# Altium PCB LimeSDR-X3_1v2.PcbDoc (part 20 of 25) (continued)
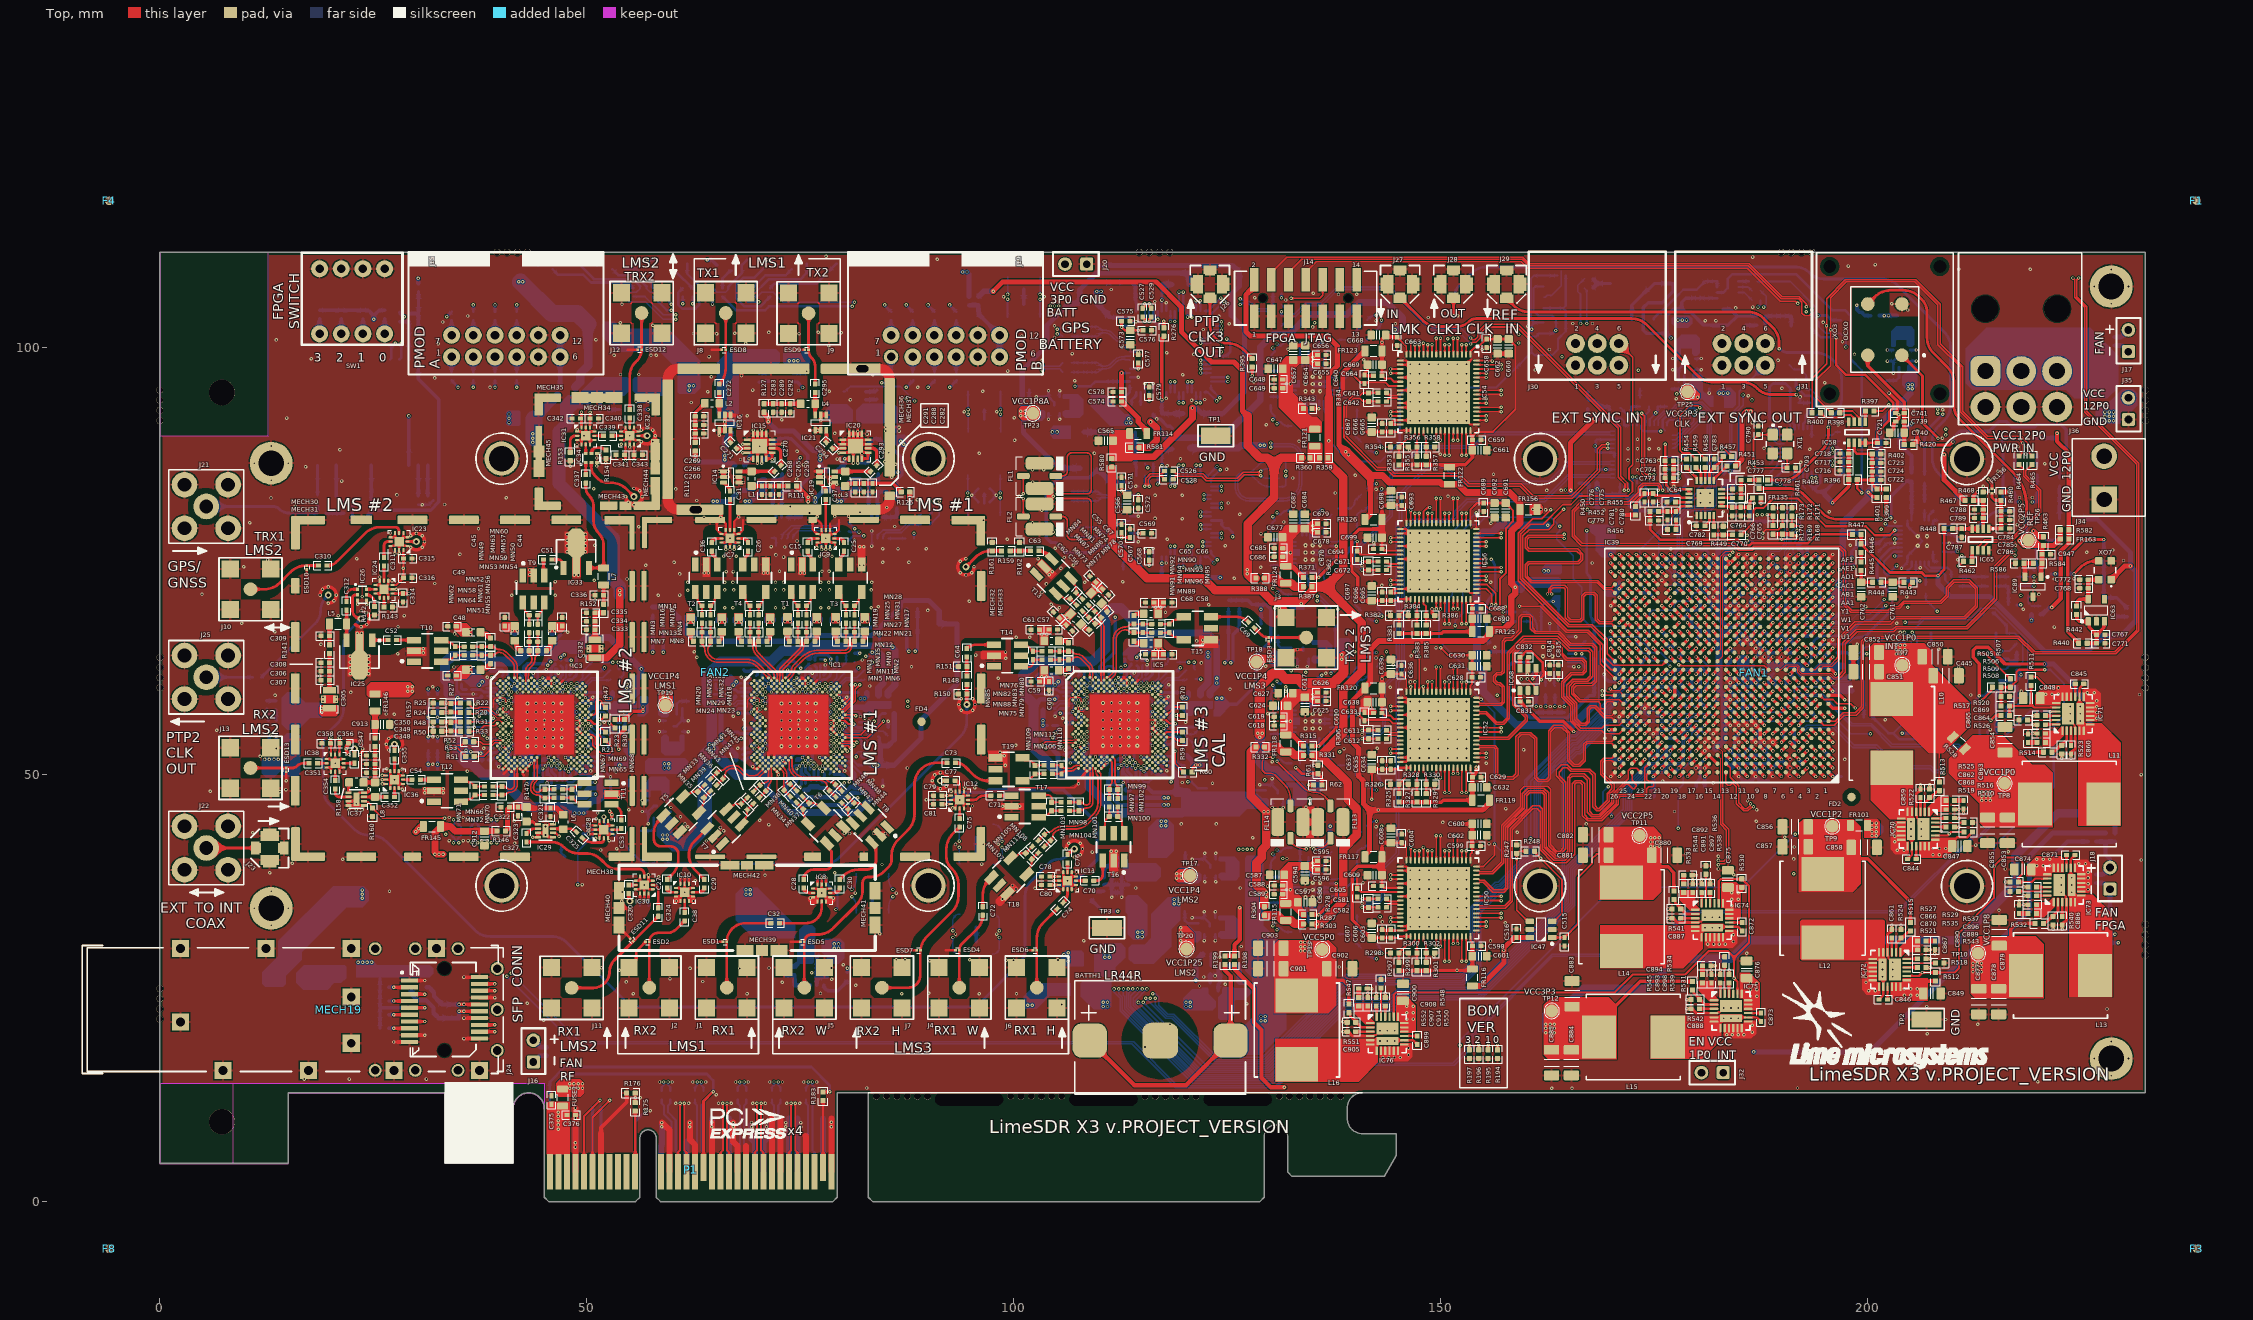
[diagram p0: Top view]
## Nets (pads, with @x,y where several pads share a name; then routed paths per layer and width w, separated by ;. In a path a pad name is that pad's centre, name@x,y a point inside that pad or via, vN(x,y) a via of type N, cw(c..) or ccw(c..) an arc to the next point about the centre after c; other vN are vias at no path point) (continued)
  Bottom w0.325: P1.A6@50.65,3.5 R174.2@50.65,11.075
NetP1_A7: P1.A7 R174.1 | length 7.6
  Bottom w0.325: P1.A7@51.65,3.5 R174.1@51.65,11.075
NetP1_B11: P1.B11 R175.2 | length 7.1
  Top w0.325: P1.B11@55.65,3.5 R175.2@55.65,10.6
NetR179_1: R179.1 VT1.D | length 133.8
  L4 w0.1: v1(70.1,105.35) 72.125,107.375 95.075,107.375 96.15,108.45 117.3,108.45 119.217,110.367 185.558,110.367 192.175,103.75 v1(194.15,103.75)
  Bottom w0.3: R179.1@68.233,105.975 68.858,105.35 v1(70.1,105.35)
  Bottom w0.325: v1(194.15,103.75) 195.225,103.75 195.765,103.21 VT1.D@196.773,103.21
NetR242_1: R242.1 R243.2 R244.1 | length 2.2
  Bottom w0.4: R243.2@22.525,79.525 R244.1@22.525,80.625 R242.1@22.525,81.725
NetR413_2: R413.2 R415.2 XO2.4 | length 3
  Bottom w0.4: R413.2@167.808,106.96 168.358,107.51 ; R415.2@167.808,108.06 168.358,107.51 ; XO2.4@169.824,107.51 168.358,107.51
NetR419_2: R419.2 XO3.3 | length 44.4
  Top w0.325: XO3.3@199.975,105.1 200.843,105.968 cw(c202.639,104.172) 202.639,106.712 204.186,106.712 cw(c204.186,104.172) 205.982,105.968 206.3,105.65 cw(c204.791,104.141) 206.925,104.141 206.925,101.152 ccw(c209.465,101.152) 207.669,99.356 209.331,97.694 cw(c207.535,95.898) 210.075,95.898 210.075,93.103 ccw(c211.953,93.103) 210.625,91.775 216.892,85.508 cw(c212.828,81.444) 218.575,81.444 v1(218.575,80)
  Bottom w0.325: v1(218.575,80) 218.575,78.326 ccw(c220.026,78.326) 219,77.3 219.346,76.954 cw(c218.493,76.1) 219.7,76.1 219.7,75.25 ccw(c222.175,75.25) R419.2@220.425,73.5
NetR429_1: R429.1 XO4.6 | length 2
  Bottom w0.4: XO4.6@228.376,68.5 R429.1@230.35,68.5
NetR432_2: R432.2 XO4.4 XO5.3 | length 1.8
  Bottom w0.325: XO5.3@222.426,70.7 R432.2@222.425,72.5
NetR435_2: R435.2 R439.1 | length 1.1
  Bottom w0.4: R439.1@222.436,84.76 R435.2@222.436,85.86
NetR437_1: R437.1 XO6.6 | length 1.6
  Bottom w0.325: R437.1@222.425,74.5 XO6.6@222.425,76.099
NetR441_2: R441.2 XO7.3 | length 4.1
  Top w0.325: v1(224.125,73.5) 224.908,74.283 cw(c226.704,72.487) 226.704,75.027 XO7.3@227.027,75.027
  Bottom w0.325: R441.2@223.425,73.5 v1(224.125,73.5)
NetR445_1: R445.1 R446.2 | length 1.1
  Top w0.325: R445.1@199.2,74.9 R446.2@199.2,76.025
NetR485_2: R485.2 R487.1 R488.2 | length 2.6
  Bottom w0.2: R487.1@218.775,71.075 218.775,70.125 R488.2@219.15,69.75 R485.2@220.25,69.75
PCIE_HSI0_IC_N: C370.2 IC39.C10 | length 147
  Top w0.4: IC39.C10@186.375,52.275 v1(186.875,51.775)
  L3 w0.1: v1(62.9,14) 62.9,13.941 63.05,13.791 63.05,13.367 63.367,13.05 64.058,13.05 64.7,13.692 64.7,14.342 67.883,17.525 137.633,17.525 143.508,23.4 160.619,23.4 174.919,37.7 177.55,37.7 185.475,45.625 185.475,49.035 185.475,51.95 185.7,52.175 186.475,52.175 v1(186.875,51.775)
  Bottom w0.25: C370.2@62.65,12.95 62.65,13.4 62.9,13.65 v1(62.9,14)
PCIE_HSI0_IC_P: C369.2 IC39.D10 | length 146.6
  Top w0.4: IC39.D10@186.375,53.275 v1(186.875,52.775)
  L3 w0.1: v1(63.4,14) 63.4,13.941 63.25,13.791 63.25,13.45 63.45,13.25 63.975,13.25 64.5,13.775 64.5,14.425 67.8,17.725 137.55,17.725 143.425,23.6 160.536,23.6 174.836,37.9 177.467,37.9 185.275,45.708 185.275,49.117 185.275,52.033 185.617,52.375 186.475,52.375 v1(186.875,52.775)
  Bottom w0.25: v1(63.4,14) 63.4,13.65 63.65,13.4 C369.2@63.65,12.95
PCIE_HSI0_N: C369.1 P1.A17 | length 8.7
  Bottom w0.25: P1.A17@63.65,3.5 63.65,5.75 63.4,6 63.4,11.25 63.65,11.5 C369.1@63.65,11.95
PCIE_HSI0_P: C370.1 P1.A16 | length 8.7
  Bottom w0.25: P1.A16@62.65,3.5 62.65,5.75 62.9,6 62.9,11.25 62.65,11.5 C370.1@62.65,11.95
PCIE_HSI1_IC_N: C368.2 IC39.A9 | length 146.7
  Top w0.4: IC39.A9@187.375,50.275 v1(187.875,49.775)
  L3 w0.1: v1(67.9,14) 67.9,13.941 68.05,13.791 68.05,12.492 68.442,12.1 69.058,12.1 69.475,12.517 69.475,15.817 70.058,16.4 139.383,16.4 142.333,19.35 158.458,19.35 175.308,36.2 179.058,36.2 179.833,36.975 180.715,36.975 180.741,36.975 181.125,37.359 181.125,39.6 184.65,43.125 186.89,43.125 187.9,44.135 187.9,44.507 187.525,44.882 187.525,45.3 187.9,45.675 187.9,45.925 187.525,46.3 187.525,46.55 187.925,46.95 187.925,47.2 187.525,47.6 187.525,47.92 187.75,48.145 187.75,48.4 187.525,48.625 187.525,49.425 v1(187.875,49.775)
  Bottom w0.25: C368.2@67.65,12.95 67.65,13.4 67.9,13.65 v1(67.9,14)
PCIE_HSI1_IC_P: C367.2 IC39.B9 | length 146
  Top w0.4: IC39.B9@187.375,51.275 v1(187.875,50.775)
  L3 w0.1: v1(68.4,14) 68.4,13.941 68.25,13.791 68.25,12.575 68.525,12.3 68.975,12.3 69.275,12.6 69.275,15.9 69.975,16.6 139.3,16.6 142.25,19.55 148.717,19.55 158.375,19.55 175.225,36.4 178.975,36.4 179.75,37.175 180.659,37.175 180.925,37.441 180.925,39.683 184.567,43.325 186.807,43.325 187.325,43.843 187.325,49.72 187.875,50.27 v1(187.875,50.775)
  Bottom w0.25: v1(68.4,14) 68.4,13.65 68.65,13.4 C367.2@68.65,12.95
PCIE_HSI1_N: C367.1 P1.A22 | length 8.7
  Bottom w0.25: P1.A22@68.65,3.5 68.65,5.75 68.4,6 68.4,11.25 68.65,11.5 C367.1@68.65,11.95
PCIE_HSI1_P: C368.1 P1.A21 | length 8.7
  Bottom w0.25: P1.A21@67.65,3.5 67.65,5.75 67.9,6 67.9,11.25 67.65,11.5 C368.1@67.65,11.95
PCIE_HSI2_IC_N: C366.2 IC39.C8 | length 148.2
  Top w0.4: IC39.C8@188.375,52.275 v1(188.875,51.775)
  L3 w0.1: v1(71.9,14) 71.9,14.059 72.05,14.209 72.05,14.95 72.6,15.5 160,15.5 179.375,34.875 182.616,34.875 182.825,35.084 182.825,36.933 183.225,37.333 183.342,37.45 183.992,37.45 184.7,38.158 184.7,41.858 185.167,42.325 186.008,42.325 186.425,41.908 186.675,41.658 186.675,41.108 186.958,40.825 187.525,40.825 188.525,41.825 188.525,48.233 189.3,49.008 189.3,51.133 189.517,51.35 190.1,51.35 190.3,51.55 190.3,51.95 190.075,52.175 189.275,52.175 v1(188.875,51.775)
  Bottom w0.25: C366.2@71.65,12.95 71.65,13.4 71.9,13.65 v1(71.9,14)
PCIE_HSI2_IC_P: C365.2 IC39.D8 | length 148.5
  Top w0.4: IC39.D8@188.375,53.275 v1(188.875,52.775)
  L3 w0.1: v1(72.4,14) 72.4,14.059 72.25,14.209 72.25,14.867 72.683,15.3 160.083,15.3 179.458,34.675 182.699,34.675 183.025,35.001 183.025,36.85 183.425,37.25 184.075,37.25 184.9,38.075 184.9,41.775 185.25,42.125 185.925,42.125 186.475,41.575 186.475,41.025 186.875,40.625 187.608,40.625 188.725,41.742 188.725,48.15 189.5,48.925 189.5,51.05 189.6,51.15 190.183,51.15 190.5,51.467 190.5,52.033 190.158,52.375 189.275,52.375 v1(188.875,52.775)
  Bottom w0.25: v1(72.4,14) 72.4,13.65 72.65,13.4 C365.2@72.65,12.95
PCIE_HSI2_N: C365.1 P1.A26 | length 8.7
  Bottom w0.25: P1.A26@72.65,3.5 72.65,5.75 72.4,6 72.4,11.25 72.65,11.5 C365.1@72.65,11.95
PCIE_HSI2_P: C366.1 P1.A25 | length 8.7
  Bottom w0.25: P1.A25@71.65,3.5 71.65,5.75 71.9,6 71.9,11.25 71.65,11.5 C366.1@71.65,11.95
PCIE_HSI3_IC_N: C364.2 IC39.A7 | length 145.8
  Top w0.4: IC39.A7@189.375,50.275 v1(189.875,49.775)
  L3 w0.1: v1(75.9,14) 75.9,14.059 76.05,14.209 76.05,14.533 76.417,14.9 160.677,14.9 179.749,33.972 183.155,33.972 185.089,33.972 186.8,35.683 186.8,36.4 186.625,36.575 185.617,36.575 185.225,36.967 185.225,37.708 185.592,38.075 185.892,38.375 189.1,38.375 189.5,38.775 189.5,39.125 188.625,40 188.625,40.758 189.4,41.533 189.4,43.108 190.025,43.733 190.025,44.325 189.225,45.125 189.225,47.075 189.225,47.333 189.592,47.7 189.85,47.7 191.05,47.7 191.275,47.925 191.275,49.975 191.075,50.175 190.275,50.175 v1(189.875,49.775)
  Bottom w0.25: C364.2@75.65,12.95 75.65,13.4 75.9,13.65 v1(75.9,14)
PCIE_HSI3_IC_P: C363.2 IC39.B7 | length 146.1
  Top w0.4: IC39.B7@189.375,51.275 v1(189.875,50.775)
  L3 w0.1: v1(76.4,14) 76.4,14.059 76.25,14.209 76.25,14.45 76.5,14.7 160.76,14.7 179.832,33.772 185.172,33.772 187,35.6 187,36.175 187,36.483 186.708,36.775 186.4,36.775 185.7,36.775 185.425,37.05 185.425,37.625 185.975,38.175 189.183,38.175 189.7,38.692 189.7,39.208 189.475,39.433 188.825,40.083 188.825,40.675 189.6,41.45 189.6,43.025 190.225,43.65 190.225,44.408 189.425,45.208 189.425,47.25 189.675,47.5 191.133,47.5 191.475,47.842 191.475,50.058 191.158,50.375 190.275,50.375 v1(189.875,50.775)
  Bottom w0.25: v1(76.4,14) 76.4,13.65 76.65,13.4 C363.2@76.65,12.95
PCIE_HSI3_N: C363.1 P1.A30 | length 8.7
  Bottom w0.25: P1.A30@76.65,3.5 76.65,5.75 76.4,6 76.4,11.25 76.65,11.5 C363.1@76.65,11.95
PCIE_HSI3_P: C364.1 P1.A29 | length 8.7
  Bottom w0.25: P1.A29@75.65,3.5 75.65,5.75 75.9,6 75.9,11.25 75.65,11.5 C364.1@75.65,11.95
PCIE_HSO0_N: IC39.C12 P1.B15 | length 155.1
  Top w0.25: v1(61.4,11.5) 61.4,6 61.65,5.75 P1.B15@61.65,3.5
  Top w0.4: IC39.C12@184.375,52.275 v1(184.875,51.775)
  L3 w0.1: v1(61.4,11.5) 61.4,11.559 61.25,11.709 61.25,13.75 65.95,18.45 135.283,18.45 140.683,23.85 159.825,23.85 174.425,38.45 177.5,38.45 184.525,45.475 184.525,45.785 184.9,46.16 184.9,46.507 184.525,46.882 184.525,47.3 184.9,47.675 184.9,47.925 184.525,48.3 184.525,48.55 184.925,48.95 184.925,49.2 184.525,49.6 184.525,49.92 184.75,50.145 184.75,50.4 184.525,50.625 184.525,51.425 v1(184.875,51.775)
PCIE_HSO0_P: IC39.D12 P1.B14 | length 155.1
  Top w0.25: P1.B14@60.65,3.5 60.65,5.75 60.9,6 v1(60.9,11.5)
  Top w0.4: IC39.D12@184.375,53.275 v1(184.875,52.775)
  L3 w0.1: v1(60.9,11.5) 60.9,11.559 61.05,11.709 61.05,13.833 65.867,18.65 135.2,18.65 140.6,24.05 159.742,24.05 174.342,38.65 177.417,38.65 184.325,45.558 184.325,51.72 184.875,52.27 v1(184.875,52.775)
PCIE_HSO1_N: IC39.A13 P1.B20 | length 151.9
  Top w0.15: IC39.A13@183.375,50.275 183.375,49 183.6,48.775 183.875,48.775 184.025,48.925 184.246,48.925 184.6,48.571 184.6,46.585 185.435,45.75 185.935,45.75 186.379,46.194 186.556,46.194 v1(186.604,46.241)
  Top w0.25: v1(66.4,11.5) 66.4,6 66.65,5.75 P1.B20@66.65,3.5
  L3 w0.1: v1(66.4,11.5) 66.4,11.559 66.25,11.709 66.25,13.734 69.466,16.95 138.833,16.95 142.383,20.5 147.6,20.5 149.375,22.275 160.433,22.275 175.158,37 177.808,37 186,45.192 186,45.85 186.35,46.2 186.562,46.2 v1(186.604,46.241)
PCIE_HSO1_P: IC39.B13 P1.B19 | length 152
  Top w0.15: IC39.B13@183.375,51.275 183.85,50.8 183.85,49.675 184.85,48.675 184.85,46.689 185.539,46 185.832,46 186.202,46.37 186.202,46.547 v1(186.25,46.595)
  Top w0.25: P1.B19@65.65,3.5 65.65,5.75 65.9,6 v1(65.9,11.5)
  L3 w0.1: v1(65.9,11.5) 65.9,11.559 66.05,11.709 66.05,13.817 69.383,17.15 138.75,17.15 142.3,20.7 147.517,20.7 149.292,22.475 160.35,22.475 175.075,37.2 177.725,37.2 185.8,45.275 185.8,45.933 186.209,46.341 186.209,46.554 v1(186.25,46.595)
PCIE_HSO2_N: IC39.C14 P1.B24 | length 150
  Top w0.1: IC39.C14@182.375,52.275 182.775,51.875 182.775,49.05 182.75,49.025
  Top w0.15: v1(182.491,39.95) 182.559,39.95 182.684,39.825 183.1,39.825 183.425,40.15 183.425,43.496 182.75,44.171 182.75,49.025
  Top w0.25: v1(70.4,11.5) 70.4,6 70.65,5.75 P1.B24@70.65,3.5
  L3 w0.1: v1(70.4,11.5) 70.4,11.559 70.25,11.709 70.25,14.042 72.108,15.9 140.325,15.9 142.093,17.667 142.275,17.85 144.975,17.85 145.8,18.675 158.908,18.675 175.708,35.475 179.283,35.475 180.133,36.325 181.15,36.325 183.575,38.75 183.575,39.483 183.258,39.8 182.7,39.8 182.55,39.95 v1(182.491,39.95)
PCIE_HSO2_P: IC39.D14 P1.B23 | length 151.1
  Top w0.1: IC39.D14@182.375,53.275 182.975,52.675 182.975,49.05 183,49.025
  Top w0.15: v1(182.491,39.45) 182.559,39.45 182.684,39.575 183.204,39.575 183.675,40.046 183.675,43.6 183,44.275 183,49.025
  Top w0.25: P1.B23@69.65,3.5 69.65,5.75 69.9,6 v1(69.9,11.5)
  L3 w0.1: v1(69.9,11.5) 69.9,11.559 70.05,11.709 70.05,14.125 72.025,16.1 140.243,16.1 142.01,17.867 142.193,18.05 144.892,18.05 145.717,18.875 158.825,18.875 175.625,35.675 179.2,35.675 180.05,36.525 181.067,36.525 183.375,38.833 183.375,39.4 183.175,39.6 182.7,39.6 182.55,39.45 v1(182.491,39.45)
PCIE_HSO3_N: IC39.A11 P1.B28 | length 161.2
  Top w0.25: v1(74.4,11.5) 74.4,6 74.65,5.75 P1.B28@74.65,3.5
  Top w0.4: IC39.A11@185.375,50.275 v1(185.875,49.775)
  L3 w0.1: v1(74.4,11.5) 74.4,11.441 74.25,11.291 74.25,10.8 74.45,10.6 75.017,10.6 78.642,14.225 161.417,14.225 178.392,31.2 183.042,31.2 190.7,38.858 190.7,46.325 192.3,47.925 192.3,50.975 192.1,51.175 191.625,51.175 191.275,51.525 191.275,52.275 190.9,52.65 190.542,52.65 190.017,53.175 187.675,53.175 187.525,53.025 187.525,50.542 187.158,50.175 186.275,50.175 v1(185.875,49.775)
PCIE_HSO3_P: IC39.B11 P1.B27 | length 162.2
  Top w0.25: P1.B27@73.65,3.5 73.65,5.75 73.9,6 v1(73.9,11.5)
  Top w0.4: IC39.B11@185.375,51.275 v1(185.875,50.775)
  L3 w0.1: v1(73.9,11.5) 73.9,11.441 74.05,11.291 74.05,10.717 74.367,10.4 75.1,10.4 78.725,14.025 161.5,14.025 178.475,31 182.758,31 183.125,31 190.9,38.775 190.9,46.242 192.5,47.842 192.5,51.058 192.183,51.375 191.708,51.375 191.475,51.608 191.475,52.358 190.983,52.85 190.625,52.85 190.1,53.375 187.592,53.375 187.325,53.108 187.325,50.625 187.075,50.375 186.275,50.375 v1(185.875,50.775)
PCIE_PERSTn: IC39.R23 P1.A11 | length 183
  Top w0.4: v1(172.875,64.775) IC39.R23@173.375,64.275
  L3 w0.1: v1(56.9,10.65) 57.275,11.025 57.275,13.5 63.35,19.575 134.083,19.575 140.333,25.825 159.508,25.825 173.483,39.8 175.656,39.8 183.25,47.394 183.25,49.835 182.825,50.26 182.825,55.025 182.45,55.4 182.45,59.983 182.108,60.325 181.668,60.325 181.425,60.568 181.425,62.558 182.65,63.783 182.65,66.495 182.02,67.125 180.72,67.125 179.92,66.325 178.017,66.325 177.017,65.325 174.486,65.325 174.186,65.025 173.125,65.025 v1(172.875,64.775)
  Bottom w0.325: P1.A11@55.65,3.5 55.65,9.4 v1(56.9,10.65)
PCIE_PRSNT1n: P1.A1 R182.1 R183.1 | length 45.9
  Top w0.325: R183.1@77.65,12.85 v1(78.425,12.85)
  Bottom w0.325: P1.A1@45.65,4 45.65,14.025 47.375,15.75 76.275,15.75 78.425,13.6 v1(78.425,12.85)
PCIE_PRSNT2n_x1: P1.B17 R182.2 | length 30.2
  Top w0.325: P1.B17@63.65,4 63.65,11.75 v1(64.775,12.875)
  Bottom w0.325: R182.2@46.6,13.263 46.6,13.925 47.625,14.95 64.025,14.95 64.775,14.2 v1(64.775,12.875)
PCIE_PRSNT2n_x4: P1.B31 R183.2 | length 7.9
  Top w0.325: P1.B31@77.65,4 R183.2@77.65,11.85
PCIE_REFCLK_IC_N: C362.1 IC39.E11 | length 152.1
  Top w0.4: IC39.E11@185.375,54.275 v1(185.875,53.775)
  L3 w0.1: v1(59.5,14) 59.5,14.059 59.35,14.209 59.35,14.55 63.775,18.975 134.683,18.975 141.058,25.35 160.133,25.35 173.908,39.125 176.083,39.125 182.775,45.817 183.775,46.817 183.775,50.4 183.275,50.9 183.275,55.017 183.433,55.175 184.042,55.175 184.325,54.892 184.325,54.492 184.642,54.175 185.475,54.175 v1(185.875,53.775)
  Bottom w0.25: v1(59.5,14) 59.5,13.65 59.75,13.4 C362.1@59.75,12.95
PCIE_REFCLK_IC_P: C361.1 IC39.F11 | length 152.5
  Top w0.4: IC39.F11@185.375,55.275 v1(185.875,54.775)
  L3 w0.1: v1(59,14) 59,14.059 59.15,14.209 59.15,14.633 63.692,19.175 134.6,19.175 140.975,25.55 160.05,25.55 173.825,39.325 176,39.325 183.575,46.9 183.575,50.317 183.075,50.817 183.075,55.1 183.35,55.375 184.125,55.375 184.525,54.975 184.525,54.575 184.725,54.375 185.475,54.375 v1(185.875,54.775)
  Bottom w0.25: C361.1@58.75,12.95 58.75,13.4 59,13.65 v1(59,14)
PCIE_REFCLK_N: C362.2 P1.A14 | length 9
  Bottom w0.25: C362.2@59.75,11.95 59.75,11.5 59.5,11.25 59.5,10.457 60.4,9.557 60.4,6 60.65,5.75 P1.A14@60.65,3.5
PCIE_REFCLK_P: C361.2 P1.A13 | length 9
  Bottom w0.25: C361.2@58.75,11.95 58.75,11.5 59,11.25 59,10.25 59.9,9.35 59.9,6 59.65,5.75 P1.A13@59.65,3.5
PCIE_SMCLK: IC39.R22 P1.B5 | length 186.7
  Top w0.25: P1.B5@49.65,3.5 49.65,10 v1(51.525,11.875)
  Top w0.4: v1(173.975,64.675) IC39.R22@174.375,64.275
  L3 w0.1: v1(51.525,11.875) 52.2,11.2 55.8,11.2 56.7,12.1 56.7,13.45 63.025,19.775 64.645,19.775 134,19.775 140.25,26.025 159.425,26.025 173.4,40 175.574,40 179.218,43.644 183.05,47.476 183.05,49.733 182.625,50.158 182.625,54.942 182.25,55.317 182.25,59.9 182.025,60.125 181.586,60.125 181.225,60.486 181.225,62.64 182.45,63.865 182.45,65.978 182.103,66.325 180.65,66.325 ; v1@173.875,64.775 174.275,64.775 174.625,65.125 177.1,65.125 178.1,66.125 180.447,66.125 180.647,66.325 180.65,66.325
PCIE_SMDAT: IC39.T23 P1.B6 | length 179.8
  Top w0.25: P1.B6@50.65,3.5 50.65,9.85 v1(52.662,11.862)
  Top w0.4: v1(172.875,65.775) IC39.T23@173.375,65.275
  L3 w0.1: v1(52.662,11.862) 53.737,11.862 62.275,20.4 133.55,20.4 139.675,26.525 158.651,26.525 172.801,40.675 175.683,40.675 182.65,47.642 182.65,49.425 182.225,49.85 182.225,53.93 181.425,54.73 181.425,55.003 181.25,55.178 181.25,59.895 181.02,60.125 180.525,60.125 180.225,60.425 180.225,61.92 179.635,62.51 176.99,62.51 v1(176.825,62.675)
  Bottom w0.15: v1(172.875,65.775) 172.875,65.375 173.4,64.85 173.4,64.543 173.718,64.225 174.1,64.225 174.385,63.94 174.385,63.59 174.625,63.35 176.15,63.35 v1(176.825,62.675)
PCIE_WAKEn: IC39.R18 R175.1 R176.1 | length 170.5
  Top w0.325: R175.1@55.65,11.6 v1(55.65,12.15) R176.1@55.65,12.7
  Top w0.4: v1(177.875,64.775) IC39.R18@178.375,64.275
  L3 w0.1: v1(55.65,12.15) 55.65,13.1 62.75,20.2 133.633,20.2 139.758,26.325 158.734,26.325 172.884,40.475 175.766,40.475 179.135,43.844 182.85,47.559 182.85,49.65 182.425,50.075 182.425,54.73 181.5,55.655 181.5,59.928 181.078,60.35 180.7,60.35 180.425,60.625 180.425,62.123 182.25,63.948 182.25,65.895 182.02,66.125 180.733,66.125 180.73,66.125 180.525,65.92 180.525,64.9 180.05,64.425 178.225,64.425 v1(177.875,64.775)
PD_LMS2_BB_ADC1_DRV: IC39.W14 IC51.14 IC51.20 R287.1 | length 206.1
  Top w0.4: R287.1@134.9,33.6 v1(135.675,33.6) 137.75,35.675 v1(137.75,37.25) ; v1(181.875,68.775) IC39.W14@182.375,68.275
  L8 w0.1: v1(181.875,68.775) 181.475,69.175 181.475,72.87 181.73,73.125 181.75,73.125 182.75,74.125 184.15,74.125 184.45,73.825 184.45,72.705 184.73,72.425 186.042,72.425 187.042,73.425 188.975,73.425 189.375,73.025 189.375,72.78 190.73,71.425 193.02,71.425 193.559,71.964 194.92,73.325 197.65,73.325 201.3,69.675 201.3,68.95 203.025,67.225 204.3,67.225 204.625,66.9 204.625,66.422 204.947,66.1 212.8,66.1 216.3,62.6 216.3,51.825 223.2,44.925 223.2,31.316 217.159,25.275 207.325,25.275 203.275,29.325 200.4,29.325 v1(191.325,38.4)
  L6 w0.1: v1(135.675,33.6) 135.2,33.6 134.525,32.925 134.525,31.55 135.9,30.175 135.9,28.55 141.9,22.55 143.35,22.55 148.2,17.7 170.55,17.7 181.775,28.925 184.025,28.925 185.3,30.2 185.3,32.375 v1(191.325,38.4)
  Bottom w0.254: IC51.14@137,37.25 v1(137.75,37.25)
  Bottom w0.3: v1(135.675,33.6) 135.75,33.675 IC51.20@135.75,34.5
PD_LMS2_BB_ADC2_DRV: IC39.W15 IC53.14 IC53.20 R315.1 | length 195
  Top w0.4: R315.1@134.9,53.35 v1(135.675,53.35) 137.75,55.425 v1(137.75,57) ; v1(180.875,68.775) IC39.W15@181.375,68.275
  L4 w0.1: v1(105.25,104.875) 102.125,101.75 102.125,89.075 107.275,83.925 107.275,75.025 115.375,66.925 117.825,66.925 118.65,66.1 122.248,66.1 123.123,65.225 130.05,65.225 131.35,63.925 131.35,61.425 134.35,58.425 136.325,58.425 v1(137.75,57)
  L8 w0.1: v1(105.25,104.875) 110.1,104.875 110.825,105.6 113.416,105.6 114.691,106.875 118.325,106.875 118.75,107.3 122.837,107.3 123.662,108.125 123.908,108.125 133.783,108.125 134.208,107.7 141.566,107.7 142.141,107.125 169.158,107.125 169.201,107.125 175.375,100.951 175.375,94.358 174.6,93.583 174.6,90.283 175.433,89.45 178.199,89.45 181.375,86.274 181.375,84.109 181,83.734 181,81.45 177.525,77.975 177.525,73.213 177.325,73.013 177.325,72.547 177.672,72.2 177.945,72.2 180.275,69.87 180.275,69.375 v1(180.875,68.775)
  Bottom w0.254: IC53.14@137,57 v1(137.75,57)
  Bottom w0.3: v1(135.675,53.35) 135.75,53.425 IC53.20@135.75,54.25
PD_LMS3_BB_ADC1_DRV: IC39.W16 IC55.14 IC55.20 R343.1 | length 98.3
  Top w0.4: R343.1@134.9,92.85 v1(135.675,92.85) ; v1(179.875,68.775) IC39.W16@180.375,68.275
  L8 w0.1: v1(135.2,102.9) 137.65,102.9 140.875,106.125 168.275,106.125 169.918,106.125 175.175,100.868 175.175,94.441 174.4,93.666 174.4,90.2 175.35,89.25 178.116,89.25 181.175,86.191 181.175,84.192 180.8,83.817 180.8,81.533 177.325,78.058 177.325,73.296 177.125,73.096 177.125,72.03 179.3,69.855 179.3,69.411 179.875,68.836 v1(179.875,68.775)
  L6 w0.1: v1(135.2,102.9) 137.75,100.35 v1(137.75,96.5) 137.75,94.925 v1(135.675,92.85)
  Bottom w0.254: IC55.14@137,96.5 v1(137.75,96.5)
  Bottom w0.3: v1(135.675,92.85) 135.75,92.925 IC55.20@135.75,93.75
PD_LMS3_BB_ADC2_DRV: IC39.AD18 IC57.14 IC57.20 R371.1 | length 87.7
  Top w0.4: R371.1@134.9,73.1 v1(135.675,73.1) 137.75,75.175 v1(137.75,76.75) ; v1(177.875,73.775) IC39.AD18@178.375,73.275
  L10 w0.1: v1(137.75,76.75) 145.125,84.125 168.55,84.125 171.8,87.375 178.3,87.375 v1(185.375,94.45)
  Bottom w0.15: v1(177.875,73.775) 178.275,74.175 178.275,79.813 179.387,80.925 181.53,80.925 182.225,81.62 182.225,86.25 184.05,88.075 184.05,91.946 185.375,93.271 v1(185.375,94.45)
  Bottom w0.254: IC57.14@137,76.75 v1(137.75,76.75)
  Bottom w0.3: v1(135.675,73.1) 135.75,73.175 IC57.20@135.75,74
PG_VCC1P0: IC71.21 R504.2 R505.1 | length 17.4
  Top w0.25: v1(213.3,58.65) 214.4,59.75 214.4,60.05 R505.1@214.575,60.225 ; v1(221.325,57.375) IC71.21@222.025,57.375
  Bottom w0.25: v1(213.3,58.65) 213.075,58.425 213.075,54.7 213.775,54 215.55,54 218.925,57.375 v1(221.325,57.375) R504.2@221.925,57.375
PG_VCC1P0_INT: IC70.21 R508.2 | length 18.6
  Top w0.25: IC70.21@207.9,43.375 v1(208.6,43.375)
  Top w0.3: v1(214.4,56.375) 214.95,56.925 R508.2@215.575,56.925
  L6 w0.3: v1(208.6,43.375) 209.6,44.375 211.4,44.375 212.45,45.425 212.45,54.425 v1(214.4,56.375)
PMOD_A_PIN1: IC39.R25 R200.1 | length 274.1
  Top w0.4: v1(170.875,64.775) IC39.R25@171.375,64.275
  L4 w0.1: v1(34.896,95.354) 34.896,94.052 34.725,93.881 13.025,72.181 13.025,68.744 11.525,67.244 11.525,57.754 11.174,57.402 7.291,53.52 7.291,49.284 12.275,44.3 16.292,44.3 18.217,42.375 26.696,42.375 37.346,31.725 82.666,31.725 84.341,30.05 104.475,30.05 106.875,32.45 112.633,32.45 113.958,33.775 116.628,33.775 118.578,35.725 125.078,35.725 125.503,35.3 126.936,35.3 127.936,34.3 133.141,34.3 133.366,34.075 136.975,34.075 138.8,35.9 143.917,35.9 144.942,34.875 153.792,34.875 154.017,34.65 158.25,34.65 159.35,33.55 163.775,33.55 179.7,49.475 179.7,50.058 180.25,50.608 180.25,55.325 180.475,55.55 180.475,60.67 179.525,61.62 179.525,62.064 178.364,63.225 176.658,63.225 174.93,63.225 173.73,64.425 171.225,64.425 v1(170.875,64.775)
  Bottom w0.3: R200.1@34.146,96.15 34.896,95.4 v1(34.896,95.354)
PMOD_A_PIN2: IC39.P23 R208.1 | length 270.8
  Top w0.4: v1(172.875,63.775) IC39.P23@173.375,63.275
  L4 w0.1: v1(36.689,95.354) 36.481,95.354 13.225,72.098 13.225,68.661 11.725,67.161 11.725,57.671 7.491,53.437 7.491,49.367 12.358,44.5 16.375,44.5 18.3,42.575 26.779,42.575 37.429,31.925 82.749,31.925 84.424,30.25 104.392,30.25 106.792,32.65 112.55,32.65 113.875,33.975 116.545,33.975 118.495,35.925 125.161,35.925 125.586,35.5 127.019,35.5 128.019,34.5 133.224,34.5 133.449,34.275 136.892,34.275 138.717,36.1 144,36.1 145.025,35.075 153.875,35.075 154.1,34.85 158.333,34.85 159.433,33.75 163.692,33.75 179.475,49.533 179.475,54.875 180.275,55.675 180.275,59.87 178.425,61.72 178.425,62.003 178.103,62.325 176.4,62.325 176,62.725 173.925,62.725 v1(172.875,63.775)
  Bottom w0.3: v1(36.689,95.354) R208.1@36.689,96.15
PMOD_A_PIN3: IC39.P21 R210.1 | length 275.8
  Top w0.4: v1(174.875,63.775) IC39.P21@175.375,63.275
  L4 w0.1: v1(39.232,95.354) 38.836,95.75 34.789,95.75 34.525,95.486 34.525,93.964 12.825,72.264 12.825,68.826 11.325,67.326 11.325,57.836 11.091,57.602 7.091,53.603 7.091,49.198 12.189,44.1 16.209,44.1 18.134,42.175 26.614,42.175 37.264,31.525 82.583,31.525 84.258,29.85 104.575,29.85 106.975,32.25 112.725,32.25 114.05,33.575 116.711,33.575 117.286,34.15 119.236,34.15 120.611,35.525 124.983,35.525 125.408,35.1 126.853,35.1 127.853,34.1 133.058,34.1 133.983,33.175 136.417,33.175 137.192,33.95 138.317,33.95 153.75,33.95 154.2,34.4 158.083,34.4 159.208,33.275 163.783,33.275 179.9,49.392 179.9,49.975 180.475,50.55 180.475,54.875 181.275,55.675 181.275,60.87 180.995,61.15 180.55,61.15 180.25,61.45 180.25,61.895 180.02,62.125 179.747,62.125 178.447,63.425 175.225,63.425 v1(174.875,63.775)
  Bottom w0.3: v1(39.232,95.354) R210.1@39.232,96.15
PMOD_A_PIN4: IC39.P19 R214.1 | length 278
  Top w0.4: v1(176.875,63.775) IC39.P19@177.375,63.275
  L4 w0.1: v1(41.775,95.354) 39.746,95.354 39.15,95.95 34.706,95.95 34.325,95.569 34.325,94.047 12.625,72.347 12.625,68.909 11.125,67.409 11.125,57.919 11.008,57.802 6.891,53.686 6.891,49.115 12.106,43.9 16.126,43.9 18.051,41.975 26.531,41.975 37.181,31.325 82.5,31.325 84.175,29.65 104.658,29.65 107.058,32.05 112.808,32.05 114.133,33.375 116.794,33.375 117.369,33.95 119.319,33.95 120.694,35.325 124.9,35.325 125.325,34.9 126.77,34.9 127.77,33.9 132.975,33.9 133.9,32.975 136.5,32.975 137.275,33.75 153.833,33.75 154.283,34.2 158,34.2 159.125,33.075 163.9,33.075 180.525,49.7 180.525,49.92 181.225,50.62 181.225,55.325 181.475,55.575 181.475,60.953 181.078,61.35 180.633,61.35 180.45,61.533 180.45,61.978 180.103,62.325 179.83,62.325 178.03,64.125 177.575,64.125 177.225,63.775 v1(176.875,63.775)
  Bottom w0.3: v1(41.775,95.354) R214.1@41.775,96.15
PMOD_A_PIN7: IC39.R20 R201.2 | length 288.5
  Top w0.4: v1(175.875,64.775) IC39.R20@176.375,64.275
  L4 w0.1: v1(33.583,103.637) 33.583,102.683 31,100.1 31,91.57 12.025,72.595 12.025,69.167 10.525,67.667 10.525,58.168 6.291,53.934 6.291,48.867 11.858,43.3 15.878,43.3 17.803,41.375 26.282,41.375 36.932,30.725 82.251,30.725 83.926,29.05 104.906,29.05 107.306,31.45 113.056,31.45 114.381,32.775 117.042,32.775 117.617,33.35 119.567,33.35 120.942,34.725 124.634,34.725 126.509,32.85 132.058,32.85 133.658,31.25 136.767,31.25 138.192,32.675 140.709,32.675 142.184,31.2 163.95,31.2 164.316,31.2 171.666,38.55 174.866,38.55 182.725,46.409 182.725,59.693 182.95,59.918 182.95,62.195 181.02,64.125 179.675,64.125 179.25,64.55 179.25,65.025 179.15,65.125 178.747,65.125 178.325,65.547 178.325,65.55 178.275,65.6 177.483,65.6 177.008,65.125 176.225,65.125 v1(175.875,64.775)
  Bottom w0.3: v1(33.583,103.637) R201.2@34.146,104.2
PMOD_A_PIN8: IC39.R21 R209.2 | length 295.2
  Top w0.4: v1(174.875,64.775) IC39.R21@175.375,64.275
  L4 w0.1: v1(36.689,104.996) 36.336,105.35 34.373,105.35 30.8,101.777 30.8,91.653 11.825,72.678 11.825,69.25 10.325,67.75 10.325,58.251 6.091,54.017 6.091,48.784 11.775,43.1 15.795,43.1 17.72,41.175 26.199,41.175 36.849,30.525 82.169,30.525 83.844,28.85 104.989,28.85 107.389,31.25 113.139,31.25 114.464,32.575 117.125,32.575 117.7,33.15 119.65,33.15 121.025,34.525 124.551,34.525 126.426,32.65 131.975,32.65 133.575,31.05 136.85,31.05 138.275,32.475 140.626,32.475 142.101,31 164.033,31 164.399,31 171.749,38.35 174.949,38.35 182.925,46.326 182.925,59.61 183.15,59.835 183.15,62.278 181.103,64.325 179.758,64.325 179.45,64.633 179.45,65.108 179.233,65.325 178.83,65.325 178.525,65.63 178.525,65.633 178.358,65.8 177.4,65.8 176.925,65.325 175.425,65.325 v1(174.875,64.775)
  Bottom w0.3: R209.2@36.689,104.2 v1(36.689,104.996)
PMOD_A_PIN9: IC39.P15 R211.2 | length 285.4
  Top w0.4: v1(180.875,63.775) IC39.P15@181.375,63.275
  L4 w0.1: v1(39.232,104.996) 37.086,102.85 35.875,102.85 35.375,102.35 35.375,97.358 33.925,95.908 33.925,94.212 12.225,72.512 12.225,69.075 10.725,67.575 10.725,58.085 6.491,53.851 6.491,48.949 11.941,43.5 15.961,43.5 17.886,41.575 26.365,41.575 37.015,30.925 82.334,30.925 84.009,29.25 104.824,29.25 107.224,31.65 112.974,31.65 114.181,32.858 114.299,32.975 116.959,32.975 117.534,33.55 119.484,33.55 120.859,34.925 124.717,34.925 126.592,33.05 132.141,33.05 133.741,31.45 136.684,31.45 138.109,32.875 140.792,32.875 142.267,31.4 163.867,31.4 164.233,31.4 171.583,38.75 174.783,38.75 182.525,46.492 182.525,59.776 182.7,59.951 182.7,62.025 180.95,63.775 v1(180.875,63.775)
  Bottom w0.3: R211.2@39.232,104.2 v1(39.232,104.996)
PMOD_A_PIN10: IC39.P16 R215.2 | length 287.2
  Top w0.4: v1(179.875,63.775) IC39.P16@180.375,63.275
  L4 w0.1: v1(41.775,104.996) 40.746,104.996 37.975,102.225 37.975,98.325 37.275,97.625 35.925,97.625 34.125,95.825 34.125,94.129 12.425,72.429 12.425,68.992 10.925,67.492 10.925,58.002 6.691,53.768 6.691,49.032 12.024,43.7 16.044,43.7 17.969,41.775 26.448,41.775 37.098,31.125 82.417,31.125 84.092,29.45 104.741,29.45 107.141,31.85 112.891,31.85 114.216,33.175 116.876,33.175 117.451,33.75 119.401,33.75 120.776,35.125 124.8,35.125 126.675,33.25 132.224,33.25 133.824,31.65 136.601,31.65 138.026,33.075 140.875,33.075 142.35,31.6 164.15,31.6 171.5,38.95 174.7,38.95 182.325,46.575 182.325,59.859 182.5,60.034 182.5,61.942 181.042,63.4 180.25,63.4 v1(179.875,63.775)
  Bottom w0.3: R215.2@41.775,104.2 v1(41.775,104.996)